# KiCad board final-memory.kicad_pcb (continued)
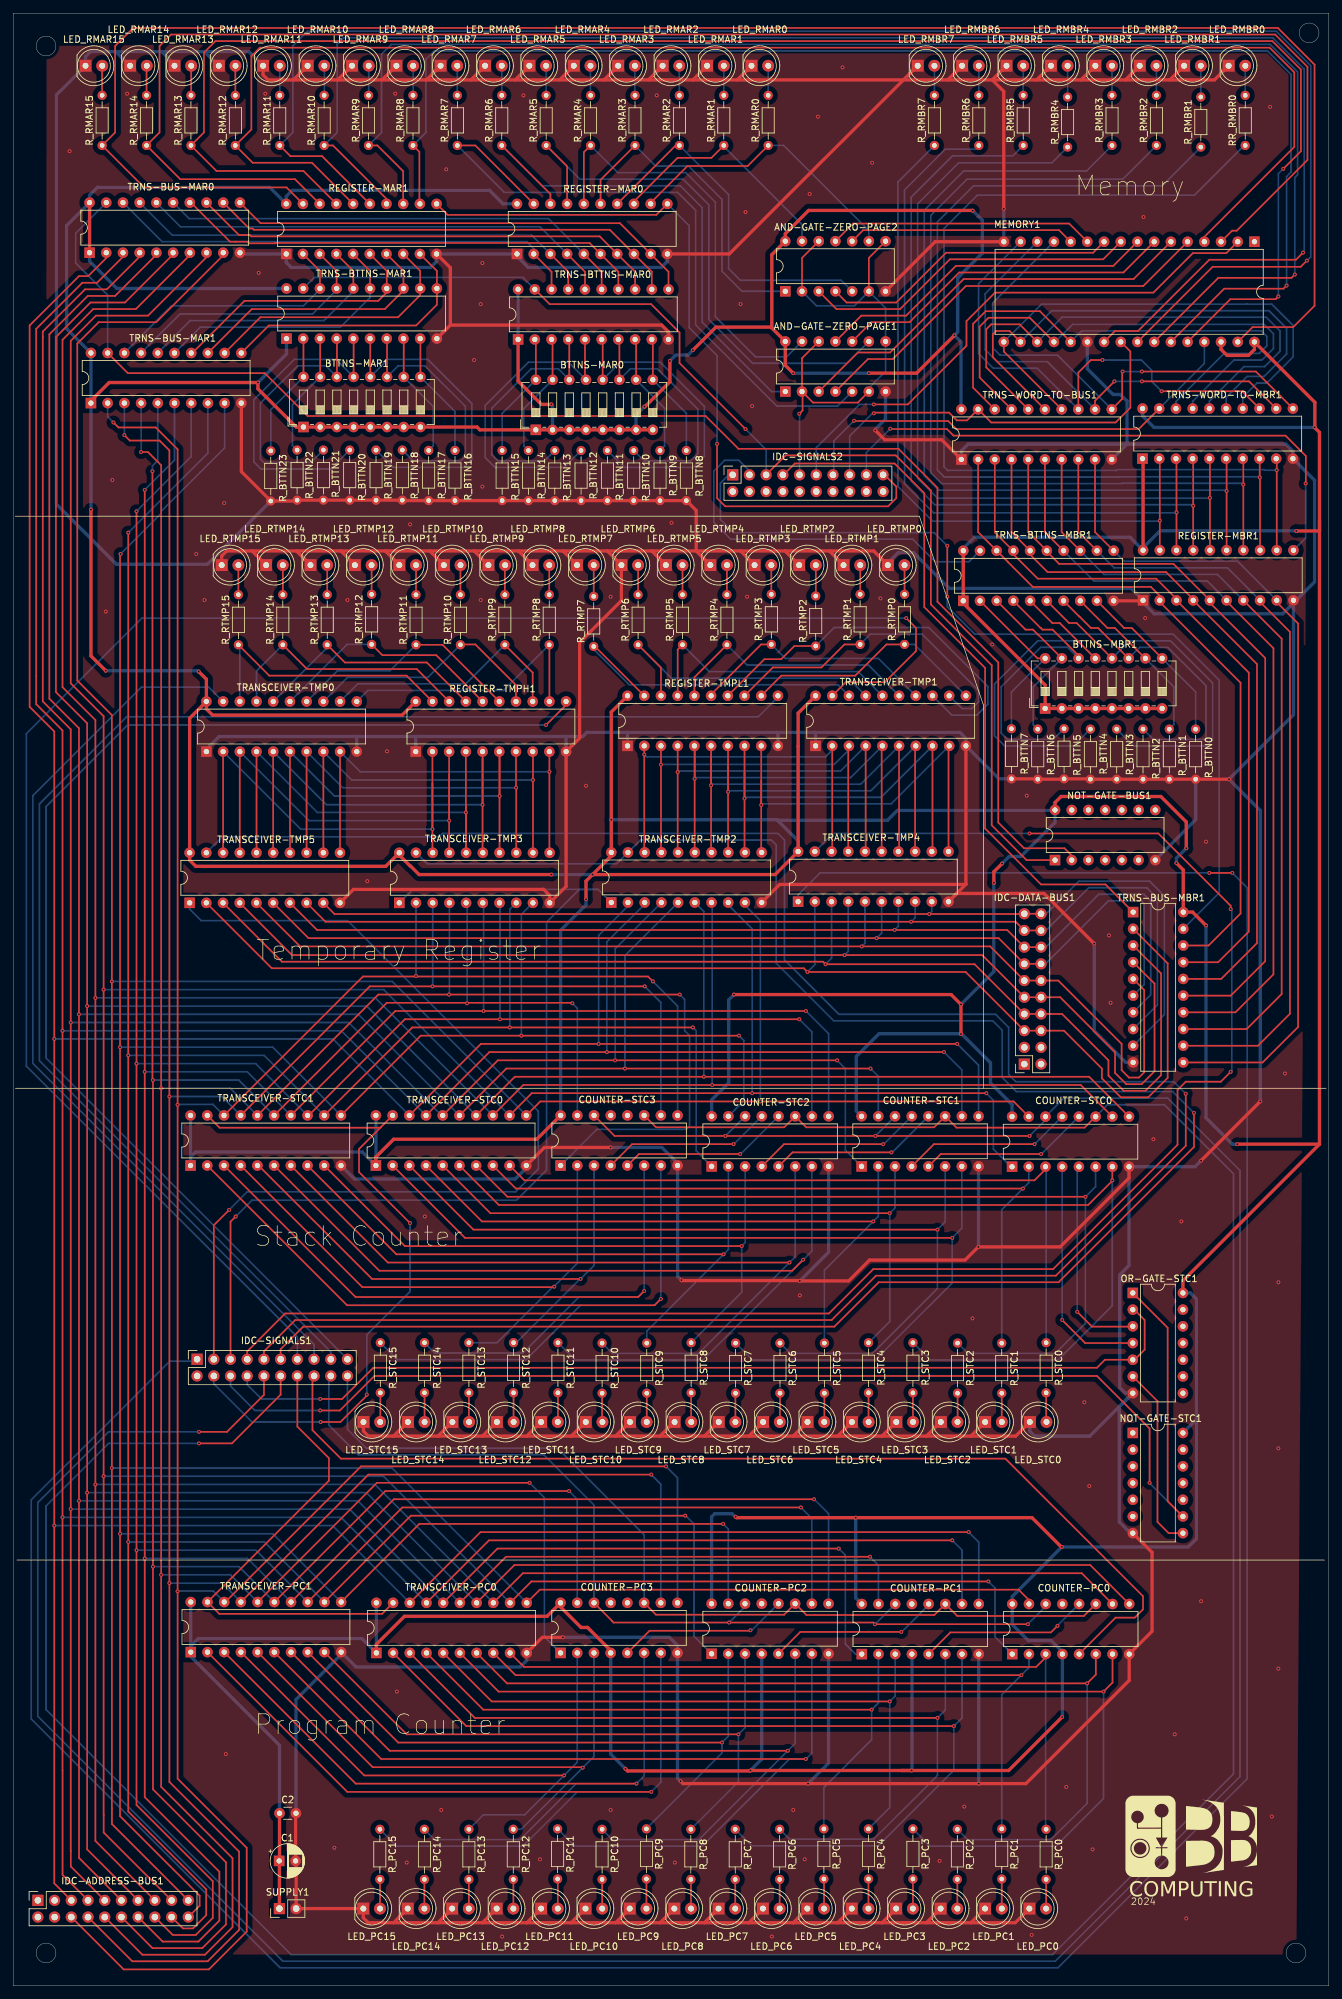
[diagram p0: board, top side]
## Routing (per net, layer and track width the routed paths; a pad name or vN(x,y) marks a point on that pad's centre or on a via; arc(x,y) is an arc through that point) (continued)
Net-(REGISTER-MAR0-8D): length 72.2
  Top w0.25: TRNS-BTTNS-MAR0.11 99.62,260.67 REGISTER-MAR0.9 92.24,268.06 37.61,268.06 TRNS-BUS-MAR0.11
Net-(REGISTER-MAR1-1D): length 40.2
  Top w0.25: TRNS-BTTNS-MAR1.18 46.63,260.8 REGISTER-MAR1.2
  Bottom w0.25: TRNS-BUS-MAR1.18 24.09,255.5 44.12,255.5 46.63,258 TRNS-BTTNS-MAR1.18
Net-(REGISTER-MAR1-2D): length 40.2
  Top w0.25: TRNS-BTTNS-MAR1.17 49.17,260.8 REGISTER-MAR1.3
  Bottom w0.25: TRNS-BUS-MAR1.17 25.38,254.25 45.52,254.25 49.17,257.9 TRNS-BTTNS-MAR1.17
Net-(REGISTER-MAR1-3D): length 40.4
  Top w0.25: REGISTER-MAR1.4 51.71,260.8 TRNS-BTTNS-MAR1.16
  Bottom w0.25: TRNS-BTTNS-MAR1.16 51.71,257.71 47.25,253.25 26.92,253.25 TRNS-BUS-MAR1.16
Net-(REGISTER-MAR1-4D): length 40.9
  Top w0.25: TRNS-BTTNS-MAR1.15 54.25,260.8 REGISTER-MAR1.5
  Bottom w0.25: TRNS-BTTNS-MAR1.15 54.25,256.75 49.75,252.25 28.45,252.25 TRNS-BUS-MAR1.15
Net-(REGISTER-MAR1-5D): length 40.5
  Top w0.25: TRNS-BUS-MAR1.14 27.24,248.32 35.17,256.25 55.5,256.25 56.79,257.54 TRNS-BTTNS-MAR1.14 56.79,260.8 REGISTER-MAR1.6
Net-(REGISTER-MAR1-6D): length 40.3
  Top w0.25: TRNS-BUS-MAR1.13 36.28,255 56.5,255 59.33,257.83 TRNS-BTTNS-MAR1.13 59.33,260.8 REGISTER-MAR1.7
Net-(REGISTER-MAR1-7D): length 40.7
  Top w0.25: TRNS-BUS-MAR1.12 37.58,253.75 58.5,253.75 61.87,257.12 TRNS-BTTNS-MAR1.12 61.87,260.8 REGISTER-MAR1.8
Net-(REGISTER-MAR1-8D): length 41.6
  Top w0.25: TRNS-BUS-MAR1.11 38.87,252.5 61.25,252.5 64.41,255.66 TRNS-BTTNS-MAR1.11 64.41,260.8 REGISTER-MAR1.9
Net-(REGISTER-MBR1-1D): length 106.8
  Top w0.25: TRNS-WORD-TO-BUS1.2 146.68,221.08 TRNS-BTTNS-MBR1.18 151.19,216.57 151.19,216.56 155,212.75 172.94,212.75 174.3,211.39 REGISTER-MBR1.2 174.3,210.45 186.58,198.17 186.58,163.08 181.71,158.21 TRNS-BUS-MBR1.18
Net-(REGISTER-MBR1-2D): length 110.3
  Top w0.25: TRNS-BUS-MBR1.17 183.17,155.67 187.83,160.33 187.83,199.71 REGISTER-MBR1.3 176.84,210.91 173.75,214 155.75,214 152.05,217.7 TRNS-BTTNS-MBR1.17 152,218.25 149.22,221.03 TRNS-WORD-TO-BUS1.3
Net-(REGISTER-MBR1-3D): length 113
  Top w0.25: TRNS-WORD-TO-BUS1.4 151.76,221.08 TRNS-BTTNS-MBR1.16 154.59,217.66 157.25,215 175.25,215 179.38,210.87 REGISTER-MBR1.4 189.08,201 189.08,158.58 183.63,153.13 TRNS-BUS-MBR1.16
Net-(REGISTER-MBR1-4D): length 116
  Top w0.25: TRNS-BUS-MBR1.15 185.09,150.59 190.33,155.83 190.33,201.92 181.92,210.33 REGISTER-MBR1.5 181.92,210.71 176.38,216.25 159,216.25 157.13,218.12 TRNS-BTTNS-MBR1.15 154.3,221.08 TRNS-WORD-TO-BUS1.5
Net-(REGISTER-MBR1-5D): length 118.9
  Top w0.25: TRNS-WORD-TO-BUS1.6 156.84,221.08 TRNS-BTTNS-MBR1.14 ; TRNS-BUS-MBR1.14 185.8,148.05 191.58,153.83 191.58,203.42 184.46,210.54 REGISTER-MBR1.6
  Bottom w0.25: REGISTER-MBR1.6 181.52,213.64 164.28,213.64 TRNS-BTTNS-MBR1.14
Net-(REGISTER-MBR1-6D): length 122.4
  Top w0.25: TRNS-WORD-TO-BUS1.7 159.38,221.08 TRNS-BTTNS-MBR1.13 ; TRNS-BUS-MBR1.13 187.51,145.51 192.83,150.83 192.83,204.87 REGISTER-MBR1.7
  Bottom w0.25: TRNS-BTTNS-MBR1.13 165.82,214.64 183.06,214.64 REGISTER-MBR1.7
Net-(REGISTER-MBR1-7D): length 125.9
  Top w0.25: REGISTER-MBR1.8 189.54,210.46 194.08,205.92 194.08,147.83 189.22,142.97 TRNS-BUS-MBR1.12 ; TRNS-BTTNS-MBR1.12 161.92,221.08 TRNS-WORD-TO-BUS1.8
  Bottom w0.25: TRNS-BTTNS-MBR1.12 167.35,215.65 184.59,215.65 REGISTER-MBR1.8
Net-(REGISTER-MBR1-8D): length 128.9
  Top w0.25: TRNS-WORD-TO-BUS1.9 164.46,221.08 TRNS-BTTNS-MBR1.11 ; REGISTER-MBR1.9 192.08,210.42 195.33,207.17 195.33,145.83 189.93,140.43 TRNS-BUS-MBR1.11
  Bottom w0.25: TRNS-BTTNS-MBR1.11 168.9,216.65 186.13,216.65 REGISTER-MBR1.9
Net-(REGISTER-TMPH1-1D): length 75.1
  Top w0.25: TRANSCEIVER-TMP5.18 31.92,172.33 TRANSCEIVER-TMP0.2 ; 31.92,172.79 31.45,172.32 ; TRANSCEIVER-TMP3.18 63.73,172.36 63.73,182.91 ; v1(63.73,175.91) REGISTER-TMPH1.2
  Bottom w0.25: v1(63.73,175.91) 43.7,175.91 TRANSCEIVER-TMP0.2
Net-(REGISTER-TMPH1-2D): length 73.9
  Top w0.25: 66.28,184.2 66.28,172.36 TRANSCEIVER-TMP3.17 ; TRANSCEIVER-TMP0.3 34.45,187.69 TRANSCEIVER-TMP5.17 ; v1(66.28,177.2) REGISTER-TMPH1.3
  Bottom w0.25: TRANSCEIVER-TMP0.3 44.95,177.2 v1(66.28,177.2)
Net-(REGISTER-TMPH1-3D): length 73.4
  Top w0.25: REGISTER-TMPH1.4 v1(68.81,178.45) 68.81,172.7 68.86,172.66 ; 68.86,179.66 TRANSCEIVER-TMP3.16 ; TRANSCEIVER-TMP0.4 37,172.33 TRANSCEIVER-TMP5.16
  Bottom w0.25: TRANSCEIVER-TMP0.4 46.25,178.45 v1(68.81,178.45)
Net-(REGISTER-TMPH1-4D): length 73
  Top w0.25: TRANSCEIVER-TMP0.5 39.53,187.69 TRANSCEIVER-TMP5.15 ; v1(71.36,179.61) REGISTER-TMPH1.5 ; 71.36,186.61 71.36,172.36 TRANSCEIVER-TMP3.15
  Bottom w0.25: TRANSCEIVER-TMP0.5 47.61,179.62 71.34,179.62 v1(71.36,179.61)
Net-(REGISTER-TMPH1-5D): length 72.4
  Top w0.25: REGISTER-TMPH1.6 73.94,187.66 73.94,180.96 v1(73.95,180.95) ; TRANSCEIVER-TMP5.14 42.08,172.33 TRANSCEIVER-TMP0.6 ; 73.94,187.94 TRANSCEIVER-TMP3.14
  Bottom w0.25: v1(73.95,180.95) 48.83,180.95 TRANSCEIVER-TMP0.6
Net-(REGISTER-TMPH1-6D): length 64.9
  Top w0.25: TRANSCEIVER-TMP0.7 44.61,187.69 TRANSCEIVER-TMP5.13 ; REGISTER-TMPH1.7 76.44,182.21 v1(76.45,182.2) 76.48,182.17 TRANSCEIVER-TMP3.13
  Bottom w0.25: TRANSCEIVER-TMP0.7 50.12,182.2 v1(76.45,182.2)
Net-(REGISTER-TMPH1-7D): length 64.4
  Top w0.25: TRANSCEIVER-TMP0.8 47.16,172.33 TRANSCEIVER-TMP5.12 ; REGISTER-TMPH1.8 79.02,187.66 v1(79.02,183.38) TRANSCEIVER-TMP3.12
  Bottom w0.25: v1(79.02,183.38) 51.48,183.38 TRANSCEIVER-TMP0.8
Net-(REGISTER-TMPH1-8D): length 63.9
  Top w0.25: TRANSCEIVER-TMP5.11 49.69,187.69 TRANSCEIVER-TMP0.9 ; TRANSCEIVER-TMP3.11 81.52,172.36 v1(81.52,184.63) REGISTER-TMPH1.9
  Bottom w0.25: TRANSCEIVER-TMP0.9 52.77,184.63 v1(81.52,184.63)
Net-(REGISTER-TMPL1-1D): length 61.6
  Top w0.25: REGISTER-TMPL1.2 v1(95.94,187.25) 95.94,172.73 95.97,172.69 ; 124.41,172.69 124.51,172.79 TRANSCEIVER-TMP1.2
  Bottom w0.25: TRANSCEIVER-TMP1.2 124.51,187.94 123.47,186.9 96.29,186.9 v1(95.94,187.25)
Net-(REGISTER-TMPL1-2D): length 62.3
  Top w0.25: TRANSCEIVER-TMP2.17 98.47,172.44 v1(98.47,185.72) REGISTER-TMPL1.3 ; 126.94,172.69 126.94,188.47 TRANSCEIVER-TMP1.3
  Bottom w0.25: TRANSCEIVER-TMP1.3 127.05,187.97 124.82,185.75 98.5,185.75 v1(98.47,185.72)
Net-(REGISTER-TMPL1-3D): length 62
  Top w0.25: 129.49,172.69 129.59,172.79 TRANSCEIVER-TMP1.4 ; REGISTER-TMPL1.4 v1(101.02,184.57) 101.02,172.73 101.06,172.69
  Bottom w0.25: v1(101.02,184.57) 101.19,184.75 125.77,184.75 TRANSCEIVER-TMP1.4
Net-(REGISTER-TMPL1-4D): length 67.1
  Top w0.25: TRANSCEIVER-TMP1.5 132.03,188.47 132.03,172.69 ; v1(103.59,183.57) 103.59,188.53 REGISTER-TMPL1.5 ; 103.59,188.27 103.59,172.69
  Bottom w0.25: TRANSCEIVER-TMP1.5 127.31,183.75 103.77,183.75 v1(103.59,183.57)
Net-(REGISTER-TMPL1-5D): length 67.3
  Top w0.25: TRANSCEIVER-TMP1.6 134.67,172.79 134.56,172.69 ; 106.13,172.69 106.09,172.73 106.09,187.02 ; v1(106.09,182.57) REGISTER-TMPL1.6
  Bottom w0.25: TRANSCEIVER-TMP1.6 128.85,182.75 106.27,182.75 v1(106.09,182.57)
Net-(REGISTER-TMPL1-6D): length 67.5
  Top w0.25: REGISTER-TMPL1.7 108.68,188.53 v1(108.68,181.57) ; 137.1,172.69 137.1,188.47 TRANSCEIVER-TMP1.7 ; 108.68,185.79 108.68,172.69
  Bottom w0.25: TRANSCEIVER-TMP1.7 130.39,181.75 108.85,181.75 v1(108.68,181.57)
Net-(REGISTER-TMPL1-7D): length 67.7
  Top w0.25: v1(111.18,180.57) REGISTER-TMPL1.8 ; 111.18,184.54 111.18,172.73 111.22,172.69 ; TRANSCEIVER-TMP1.8 139.75,172.79 139.65,172.69
  Bottom w0.25: v1(111.18,180.57) 111.35,180.75 131.93,180.75 TRANSCEIVER-TMP1.8
Net-(REGISTER-TMPL1-8D): length 67.8
  Top w0.25: 142.19,172.69 142.19,188.47 TRANSCEIVER-TMP1.9 ; v1(113.72,179.57) REGISTER-TMPL1.9 ; 113.72,183.25 113.72,172.73 113.75,172.69 ; 113.78,172.47 113.75,172.5
  Bottom w0.25: v1(113.72,179.57) 113.89,179.75 133.47,179.75 TRANSCEIVER-TMP1.9
Net-(TRNS-BTTNS-MAR0-A1): length 19.1
  Top w0.25: BTTNS-MAR0.16 79.46,250.22 TRNS-BTTNS-MAR0.2
  Bottom w0.25: R_BTTN15.2 74.33,239.12 BTTNS-MAR0.16
Net-(TRNS-BTTNS-MAR0-A2): length 19.1
  Top w0.25: BTTNS-MAR0.15 82,250.22 TRNS-BTTNS-MAR0.3
  Bottom w0.25: R_BTTN14.2 77.63,234.19 77.63,239.88 BTTNS-MAR0.15
Net-(TRNS-BTTNS-MAR0-A3): length 38.8
  Top w0.25: BTTNS-MAR0.14 84.53,250.22 TRNS-BTTNS-MAR0.4
  Bottom w0.25: BTTNS-MAR0.14 82.86,245.93 78.76,245.93 72.75,239.92 72.75,232.84 73.68,231.92 80.75,231.92 R_BTTN13.2
Net-(TRNS-BTTNS-MAR0-A4): length 49.5
  Top w0.25: BTTNS-MAR0.13 86.92,244.41 TRNS-BTTNS-MAR0.5
  Bottom w0.25: BTTNS-MAR0.13 84.4,246.93 78.35,246.93 71.75,240.33 71.75,232.42 73.26,230.91 83.75,230.92 R_BTTN12.2
Net-(TRNS-BTTNS-MAR0-A5): length 49.7
  Top w0.25: TRNS-BTTNS-MAR0.6 89.62,250.22 BTTNS-MAR0.12
  Bottom w0.25: R_BTTN11.2 92.91,230.92 103.4,230.92 105.08,232.6 105.08,240.19 98.34,246.93 92.29,246.93 BTTNS-MAR0.12
Net-(TRNS-BTTNS-MAR0-A6): length 39
  Top w0.25: BTTNS-MAR0.11 92.16,250.22 TRNS-BTTNS-MAR0.7
  Bottom w0.25: R_BTTN10.2 95.91,231.92 102.98,231.92 104.08,233.01 104.08,239.77 97.93,245.93 93.83,245.93 BTTNS-MAR0.11
Net-(TRNS-BTTNS-MAR0-A7): length 19
  Top w0.25: BTTNS-MAR0.10 94.69,250.22 TRNS-BTTNS-MAR0.8
  Bottom w0.25: BTTNS-MAR0.10 99.03,239.92 99.03,234.19 R_BTTN9.2
Net-(TRNS-BTTNS-MAR0-A8): length 19.1
  Top w0.25: BTTNS-MAR0.9 97.24,250.22 TRNS-BTTNS-MAR0.9
  Bottom w0.25: BTTNS-MAR0.9 102.33,239.16 R_BTTN8.2
Net-(TRNS-BTTNS-MAR1-A1): length 19.2
  Top w0.25: TRNS-BTTNS-MAR1.2 44.13,250.47 BTTNS-MAR1.16
  Bottom w0.25: R_BTTN23.2 39.16,239.71 BTTNS-MAR1.16
Net-(TRNS-BTTNS-MAR1-A2): length 19
  Top w0.25: TRNS-BTTNS-MAR1.3 46.67,250.47 BTTNS-MAR1.15
  Bottom w0.25: R_BTTN22.2 42.45,234.26 42.45,240.47 BTTNS-MAR1.15
Net-(TRNS-BTTNS-MAR1-A3): length 39.6
  Top w0.25: TRNS-BTTNS-MAR1.4 49.21,250.47 BTTNS-MAR1.14
  Bottom w0.25: R_BTTN21.2 45.28,231.68 38.08,231.68 37.59,232.18 37.59,240.69 43.25,246.36 47.53,246.36 BTTNS-MAR1.14
Net-(TRNS-BTTNS-MAR1-A4): length 50.3
  Top w0.25: TRNS-BTTNS-MAR1.5 51.75,250.47 BTTNS-MAR1.13
  Bottom w0.25: BTTNS-MAR1.13 49.08,247.36 42.75,247.36 36.59,241.19 36.59,231.76 37.67,230.68 48.28,230.68 R_BTTN20.2
Net-(TRNS-BTTNS-MAR1-A5): length 49.8
  Top w0.25: TRNS-BTTNS-MAR1.6 54.29,250.47 BTTNS-MAR1.12
  Bottom w0.25: R_BTTN19.2 57.8,230.93 68.49,230.93 69.74,232.17 69.74,240.64 63.02,247.36 56.97,247.36 BTTNS-MAR1.12
Net-(TRNS-BTTNS-MAR1-A6): length 39.1
  Top w0.25: TRNS-BTTNS-MAR1.7 56.83,250.47 BTTNS-MAR1.11
  Bottom w0.25: R_BTTN18.2 60.8,231.93 68.08,231.93 68.73,232.58 68.73,240.22 62.6,246.36 58.5,246.36 BTTNS-MAR1.11
Net-(TRNS-BTTNS-MAR1-A7): length 19.2
  Top w0.25: BTTNS-MAR1.10 59.37,250.47 TRNS-BTTNS-MAR1.8
  Bottom w0.25: R_BTTN17.2 63.86,234.2 63.86,240.19 BTTNS-MAR1.10
Net-(TRNS-BTTNS-MAR1-A8): length 19.2
  Top w0.25: BTTNS-MAR1.9 61.91,250.47 TRNS-BTTNS-MAR1.9
  Bottom w0.25: BTTNS-MAR1.9 67.16,239.43 R_BTTN16.2
Net-(TRNS-BTTNS-MBR1-A1): length 26.4
  Top w0.25: BTTNS-MBR1.16 155.72,201.88 TRNS-BTTNS-MBR1.2
  Bottom w0.25: BTTNS-MBR1.16 151.75,196.75 R_BTTN7.2
Net-(TRNS-BTTNS-MBR1-A2): length 26.4
  Top w0.25: BTTNS-MBR1.15 155.8,205.5 155.77,205.5 155.02,206.25 153.89,206.25 TRNS-BTTNS-MBR1.3
  Bottom w0.25: R_BTTN6.2 155.05,191.82 155.05,197.51 BTTNS-MBR1.15
Net-(TRNS-BTTNS-MBR1-A3): length 46.4
  Top w0.25: TRNS-BTTNS-MBR1.4 156.18,206.5 156.21,206.5 156.46,206.25 158,206.25 161.96,202.29 BTTNS-MBR1.14
  Bottom w0.25: R_BTTN5.2 158.12,189.54 151.16,189.54 150.18,190.53 150.18,197.55 156.19,203.56 160.28,203.56 BTTNS-MBR1.14
Net-(TRNS-BTTNS-MBR1-A4): length 56.8
  Top w0.25: BTTNS-MBR1.13 164.47,201.88 159.1,207.25 157.97,207.25 TRNS-BTTNS-MBR1.5
  Bottom w0.25: R_BTTN4.2 161.18,188.54 150.74,188.54 149.18,190.11 149.17,197.96 155.77,204.56 161.81,204.56 BTTNS-MBR1.13
Net-(TRNS-BTTNS-MBR1-A5): length 57.3
  Top w0.25: BTTNS-MBR1.12 161.66,207.25 160.51,207.25 TRNS-BTTNS-MBR1.6
  Bottom w0.25: R_BTTN3.2 170.32,188.54 181.4,188.54 182.32,189.47 182.33,198.15 175.92,204.56 169.71,204.56 BTTNS-MBR1.12
Net-(TRNS-BTTNS-MBR1-A6): length 46.6
  Top w0.25: TRNS-BTTNS-MBR1.7 162.05,208.25 162.08,208.25 163.83,206.5 164.93,206.5 169.55,201.88 BTTNS-MBR1.11
  Bottom w0.25: R_BTTN2.2 173.32,189.54 180.99,189.54 181.32,189.88 181.32,197.74 175.5,203.56 171.25,203.56 BTTNS-MBR1.11
Net-(TRNS-BTTNS-MBR1-A7): length 26.4
  Top w0.25: BTTNS-MBR1.10 172.09,201.88 167.47,206.5 166.34,206.5 TRNS-BTTNS-MBR1.8
  Bottom w0.25: R_BTTN1.2 176.45,191.82 176.45,197.54 BTTNS-MBR1.10
Net-(TRNS-BTTNS-MBR1-A8): length 26.4
  Top w0.25: BTTNS-MBR1.9 170.03,206.5 168.88,206.5 TRNS-BTTNS-MBR1.9
  Bottom w0.25: BTTNS-MBR1.9 179.75,196.78 R_BTTN0.2

## Copper pours and planes (outline as drawn; the poured copper is in the pictures)
GND on Top: 5.08,295 197.08,297 195.08,4.75 4.83,4.75
GND on Bottom: 5.08,295 197.08,297 195.08,4.75 4.83,4.75

## Text on the board
F.Fab: on
F.Silkscreen: 2024 | Stack Counter | Program Counter | Temporary Register | Memory
